# Altium PCB Mother  Board 3D.PcbDoc (part 2 of 4) (continued)
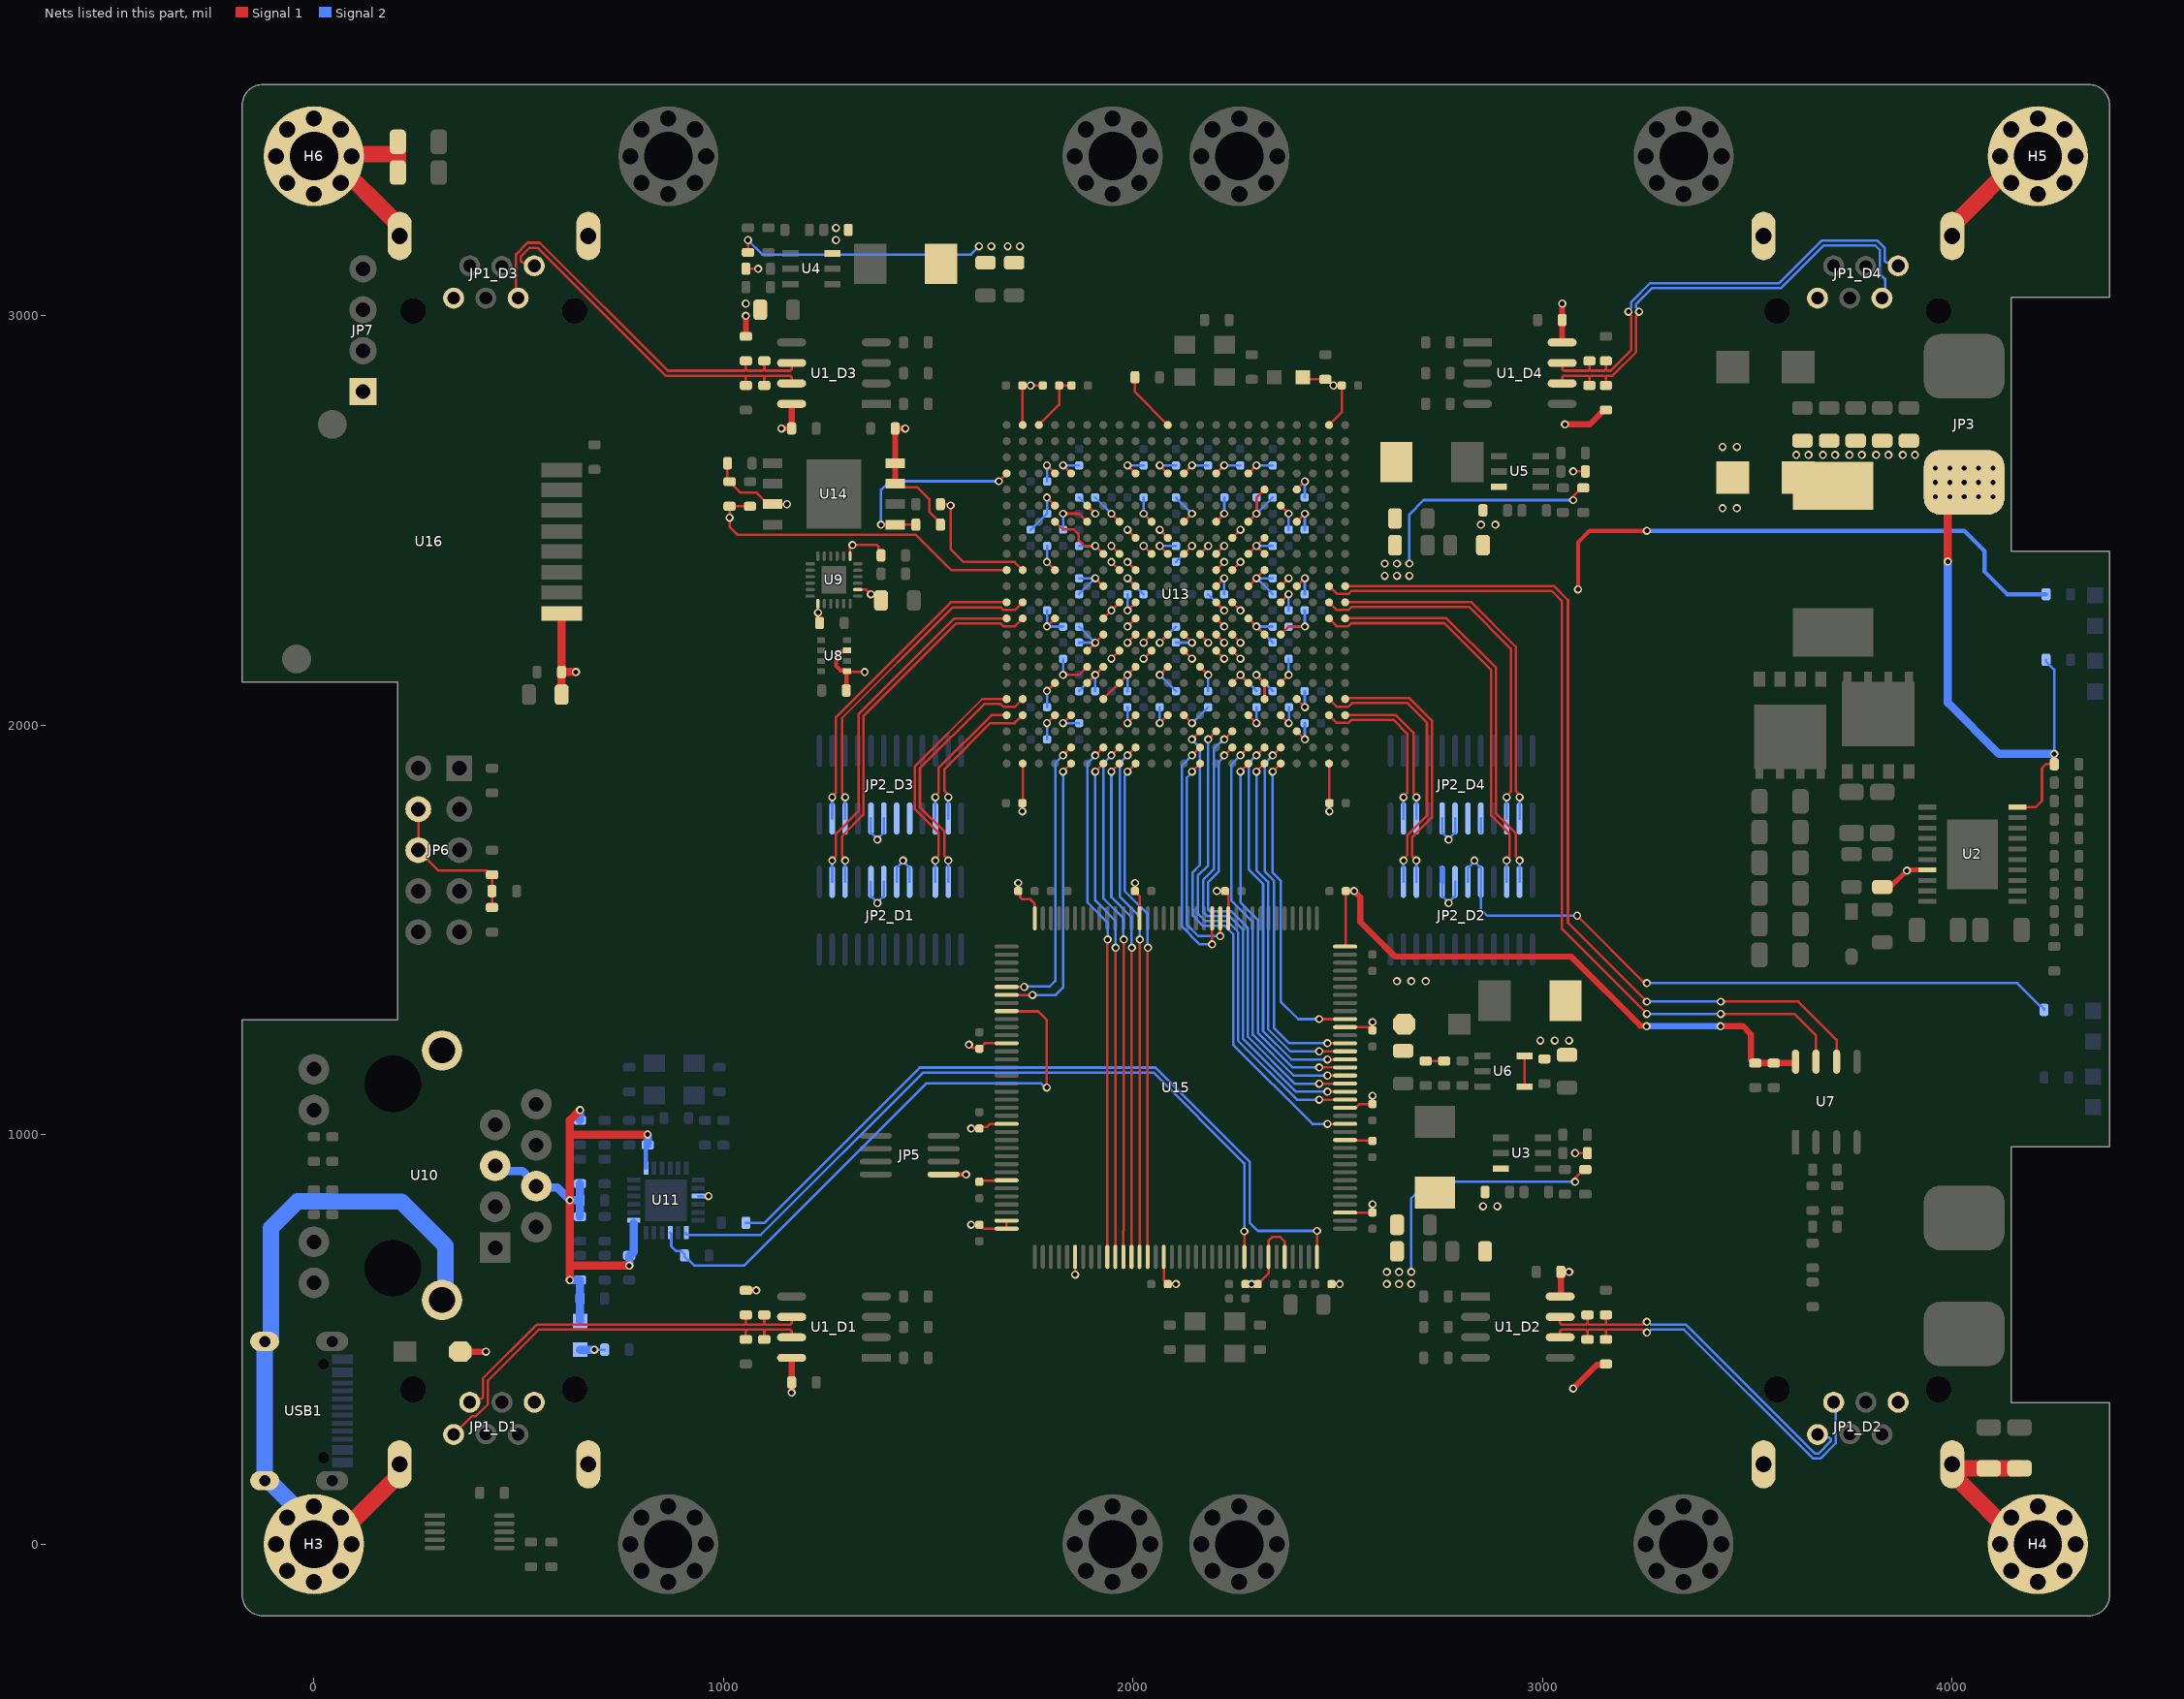
[diagram p4: the nets of this part, all layers, seen from the top]
## Nets (pads, with @x,y where several pads share a name; then routed paths per layer and width w, separated by ;. In a path a pad name is that pad's centre, name@x,y a point inside that pad or via, vN(x,y) a via of type N, cw(c..) or ccw(c..) an arc to the next point about the centre after c; other vN are vias at no path point) (continued)
  Signal 1 w10: C37.2@1300,2085 1300.75,2085.75 1300.75,2131.57 U8.8@1301.5,2132.32 1299.61,2134.21 1285.79,2134.21 1275,2145 1275,2175 1280.91,2180.91 1299.61,2180.91 U8.6@1301.5,2182.8 ; JP5.1@1537.68,902.76 v1(1592.76,902.76) ; v3(3087.07,2332.07) 3087.07,2447.07 3115,2475 v3(3255,2475)
  Signal 1 w15: U14.7@1419.6,2590 U14.8@1419.6,2640 C103.1@1419.6,2725 v1(1444.21,2725) ; v1(2540,1595) 2555,1580 2555,1520 2585,1490 2640,1435 3070,1435 3239.04,1265.96 3253.41,1265.96 v1(3254.37,1265) ; v1(3435,1265) 3490,1265 3509.54,1245.46 3509.54,1182.81 3517.35,1175 C34.1@3520,1175 C35.1@3565,1175 3614.84,1175 U7.8@3618.27,1178.43
  Signal 1 w20: C145.1@605,2075 C146.1@605,2130 ; U16.1@605.2,2273.35 605,2273.15 C146.1@605,2130 ; v1(640,2130) C146.1@605,2130
  Signal 2 w6: v1@685.19,475 C46.2@710,475 ; U11.9@938.74,849.84 v1@963.55,849.84 ; JP2_D1.9@1360.26,1617.68 1360.26,1583.36 v1@1376,1567.61 ; v1(1376,1565.77) v1@1376,1567.61 ; JP2_D1.11@1391.75,1617.68 1391.75,1583.36 v1@1376,1567.61 ; R55.2@1750.35,2477.8 1750.83,2477.8 1789.88,2516.85 C63.2@1790.35,2516.85 1790.2,2517.01 1790.2,2556.06 v1(1790.04,2556.22) ; v1(1790.04,2083.78) 1790.2,2083.62 1790.2,2044.57 C61.2@1790.35,2044.41 ; v1(1790.04,2398.74) 1790.2,2398.9 1790.2,2437.64 C66.2@1790.35,2437.8 ; v1(1790.04,2634.96) 1790.2,2634.8 1790.2,2595.75 C60.2@1790.35,2595.59 ; v1@1790.2,2005.2 v1(1790.04,2005.04) 1790.2,2004.88 1790.2,1965.51 C59.2@1790.35,1965.35 ; C74.2@1790.35,2280.63 1790.2,2280.47 1790.2,2241.42 v1(1790.04,2241.26) 1790.2,2241.1 1829.25,2241.1 R56.2@1829.41,2240.94 ; v1(1829.41,2005.04) 1829.57,2005.2 1868.62,2005.2 C81.2@1868.78,2005.35 ; v1(1829.41,2634.96) 1829.57,2634.8 1868.31,2634.8 C62.2@1868.46,2634.65 ; C83.2@1986.57,2044.41 1986.73,2044.25 1986.73,2005.2 v1(1986.89,2005.04) v1@1987.05,2005.2 ; v1(1986.89,2634.96) 1987.05,2634.8 2026.1,2634.8 C69.2@2026.26,2634.65 ; C85.2@2065.31,2044.41 2065.47,2044.25 2065.47,2005.2 v1(2065.63,2005.04) v1@2065.79,2005.2 ; v1(2065.63,2634.96) 2065.79,2634.8 2104.84,2634.8 C75.2@2105,2634.65 ; v1(2144.37,2634.96) 2144.53,2634.8 2183.27,2634.8 C67.2@2183.43,2634.65 ; v1@2144.53,2005.2 v1(2144.37,2005.04) 2144.69,2005.04 C68.2@2184.06,2044.41 ; v1(2223.11,2634.96) 2223.27,2634.8 2262.01,2634.8 C73.2@2262.17,2634.65 ; v1@2301.69,2005.2 v1(2301.85,2005.04) 2302.01,2005.2 2302.01,2044.25 C82.2@2302.17,2044.41 ; v1(2301.85,2634.96) 2302.01,2634.8 2341.38,2634.8 C65.2@2341.54,2634.65 ; v1@2380.43,2005.2 v1(2380.59,2005.04) 2380.75,2005.2 2380.75,2044.25 C80.2@2380.91,2044.41 ; R54.2@2380.59,2240.94 2380.75,2241.1 2419.8,2241.1 v1(2419.96,2241.26) 2419.8,2241.42 2419.8,2280.79 C58.2@2419.65,2280.94 ; C77.2@2419.65,2005.04 2419.8,2004.88 2419.8,1965.83 v1(2419.96,1965.67) ; C78.2@2419.65,2083.46 2419.8,2083.31 2419.8,2044.57 v1(2419.96,2044.41) ; C76.2@2419.65,2320 2419.8,2320.16 2419.8,2359.21 v1(2419.96,2359.37) ; C79.2@2419.65,2477.8 2419.8,2477.95 2419.8,2516.69 v1(2419.96,2516.85) ; C84.2@2419.65,2556.54 2419.8,2556.69 2419.8,2595.43 v1(2419.96,2595.59) ; v1(2680,665) 2680,845 2720,885 v1@3075,885 ; JP2_D2.9@2755.26,1617.68 2755.26,1583.36 v1@2771,1567.61 ; v1(2771,1565.77) v1@2771,1567.61 ; JP2_D2.11@2786.75,1617.68 2786.75,1583.36 v1@2771,1567.61 ; JP2_D4.9@2849.74,1738 JP2_D4.9@2849.74,1772.32
  Signal 2 w10: v3@3255.81,2475 4030,2475 4080,2425 4080,2375 4135,2320 R69.1@4230,2320
  Signal 2 w12: JP2_D2.9@2755.26,1617.68 JP2_D2.9@2755.26,1650.26
  Signal 2 w15: v1@2770.05,1564.81 v1(2771,1565.77) ; v1(3254.37,1265) v1(3435,1265)
  Signal 2 w20: FB1.1@650,475 v1@685.19,475
  other v1: 685.01,474.82 2620,635 2650,635 2680,635 2620,665 2650,665 963.73,850.02 1360,2320
3V3E: C45.2 C47.2 C52.1 C53.1 FB1.2 R35.2 R36.2 R37.2 R38.2 U10.4 U10.5 U11.1 U11.19 | length 1429.2
  Signal 1 w20: v1(625,645) 625,675 ; v1(649.81,1060.18) 625,1035.36 625,1000 ; v1(770.18,680.01) 630.01,680.01 625,675 ; v1(814.81,1000.18) 625.18,1000.18 625,1000 ; 625,675 v1(625,840) 625,1000
  Signal 2 w6: v1(625,645) v1@625.18,645.18 ; C53.1@810.79,970.98 C53.1@814.99,975.18
  Signal 2 w10: U11.1@810.79,918.74 C53.1@810.79,970.98
  Signal 2 w20: U10.5@445.82,925.01 459.02,911.81 509.02,911.81 U10.4@545.82,875.01 ; U10.4@542.91,875.83 547.33,871.41 593.95,871.41 625.18,840.18 C45.2@649.99,840.18 ; v1@625.18,645.18 R36.2@649.99,645.18 FB1.2@650,545 ; R35.2@649.99,800.18 C45.2@649.99,840.18 ; R38.2@649.99,880.18 C45.2@649.99,840.18 ; R37.2@649.99,1035.18 v1@649.99,1059.99 ; v1@769.99,680.19 C52.1@769.99,705 772.64,705 781.26,713.62 U11.19@781.26,785 ; C53.1@814.99,975.18 v1@814.99,999.99
5V: C1_D1.2 C1_D2.2 C1_D3.2 C1_D4.2 C23.2 C24.2 C25.2 C26.2 C27.2 C28.2 C31.2 C32.2 D3.K JP1_D1.1 JP1_D2.1 JP1_D3.1 JP1_D4.1 L5.1 NT2.2 R6_D1.1 R6_D2.1 R6_D3.1 R6_D4.1 R14.1 R15.1 R16.1 U1_D1.8 U1_D2.8 U1_D3.8 U1_D4.8 U3.3 U4.3 U5.3 U6.4 U6.5 | length 867.3
  Signal 1 w6: R15.1@1055,3115 v1(1085,3115) ; U6.4@2956.18,1117.6 U6.5@2956.18,1192.4 ; v1(3075,2620) R16.1@3105,2620 ; v1(3080,955) R14.1@3110,955
  Signal 1 w15: D3.K@357.5,470 v1(420,470) ; R6_D1.1@1055,620 v1(1080,620) ; R6_D3.1@1055,2950 v1(1055,3000) ; v1(1141.65,2725) C1_D3.2@1166.65,2725 U1_D3.8@1166.65,2785 ; v1(1166.65,370) C1_D1.2@1166.65,395 U1_D1.8@1166.65,455 ; U1_D2.8@3043.35,605 3045,606.65 C1_D2.2@3045,665 ; U1_D4.8@3048.35,2935 C1_D4.2@3048.35,2990 v1(3048.35,3030) ; C1_D2.2@3050,665 v1@3070,665 ; v1(3055,2735) 3116,2735 3151,2770 R6_D4.1@3155,2770 ; v1(3075,380) 3132.7,437.7 3152.7,437.7 R6_D2.1@3155,440
  other v1: 3065,665 2855,825 2890,825 2995,1230 3030,1230 3065,1230 2850,2490 2885,2490 3440,2530 3475,2530 3440,2680 3475,2680 1055,3030 1275,3185 1275,3215
5V_P: C3.1 C4.1 C5.1 C6.1 C7.1 C12.1 JP3.2 L1.2 NT2.1 R9.2 R68.1 U2.10 U2.17 | length 1450.9
  Signal 1 w6: U2.10@4160,1800.16 4205.16,1800.16 4220,1815 4220,1895 4230,1905 R9.2@4250,1905 v1(4250,1930)
  Signal 1 w12: C12.1@3830,1605 C12.1@3839.35,1605 ; C12.1@3839.35,1595 3864.97,1620.61 3865.51,1620.61 3891.51,1646.61 U2.17@3940,1646.61
  Signal 1 w20: v3(3990,2400) 3990,2557.06 4026.21,2593.27 v1(4030,2593.27)
  Signal 2 w6: R68.1@4230,2160 4230,2156 4250,2136 v1(4250,1930)
  Signal 2 w20: v3(3990,2400) 3990,2055 4115,1930 v1(4250,1930) ; JP3.2@3990,2553.27 v1(3995,2558.27)
  other v1: 3890,1645 3960,2558.27 4030,2558.27 4065,2558.27 4100,2558.27 3960,2593.27 3995,2593.27 4065,2593.27 4100,2593.27 3960,2628.27 3995,2628.27 4030,2628.27 4065,2628.27 4100,2628.27 3619.99,2660.23 3649.99,2660.23 3684.99,2660.23 3714.99,2660.23 3749.99,2660.23 3779.99,2660.23 3814.99,2660.23 3844.99,2660.23 3879.99,2660.23 3909.99,2660.23
12V: C29.2 C30.2 D2.K JP2_D1.13 JP2_D1.15 JP2_D2.13 JP2_D2.15 JP2_D3.13 JP2_D3.15 JP2_D4.13 JP2_D4.15 R26.1 R67.1 | length 2050.9
  Signal 1 w6: C29.2@2715,1180 R26.1@2760,1180 ; v3(3085,1535) 3247.32,1372.68 3252.32,1372.68 v3(3255,1370)
  Signal 2 w6: JP2_D3.15@1360.26,1772.32 1360.26,1738 v1@1376,1722.25 ; v1(1376,1720.41) v1@1376,1722.25 ; JP2_D3.13@1391.75,1772.32 1391.75,1738 v1@1376,1722.25 ; JP2_D1.13@1423.25,1617.68 1423.25,1652 v1@1439,1667.75 ; v1(1439,1669.59) v1@1439,1667.75 ; JP2_D1.15@1454.74,1617.68 1454.74,1652 v1@1439,1667.75 ; JP2_D4.15@2755.26,1772.32 2755.26,1738 v1@2771,1722.25 ; v1(2771,1720.41) v1@2771,1722.25 ; JP2_D4.13@2786.75,1772.32 2786.75,1738 v1@2771,1722.25 ; JP2_D2.13@2818.25,1617.68 2818.25,1652 v1@2834,1667.75 ; v1(2834,1669.59) v1@2834,1667.75 ; v3(3085,1535) 2865,1535 2849.74,1550.26 JP2_D2.15@2849.74,1617.68 2849.74,1652 v1@2834,1667.75 ; v3(3255,1370) 4160,1370 4214.54,1315.46 4217.19,1315.46 4225,1307.65 R67.1@4225,1305
  other v1: 2645,1375 2680,1375 2715,1375
485_D1_N: JP1_D1.6 R1_D1.1 R4_D1.2 U1_D1.7 | length 1029.2
  Signal 1 w6: JP1_D1.6@341.26,267.83 385.41,311.98 394.96,311.98 424.78,341.81 424.78,399.78 549,524 1051.49,524 1055,520.49 ; R1_D1.1@1055,500 1055,520.49 ; R4_D1.2@1100,500 1100,520.49 ; U1_D1.7@1166.65,505 1166.65,520.49 1163.14,524 1127.33,524 1103.51,524 1100,520.49 ; 1055,520.49 1058.51,524 1096.49,524 1100,520.49
485_D1_P: JP1_D1.5 R4_D1.1 R6_D1.2 U1_D1.6 | length 955.4
  Signal 1 w6: JP1_D1.5@380.63,346.57 388.91,354.86 409.26,354.86 412.78,358.37 412.78,404.75 544.03,536 1051.49,536 1055,539.51 ; R6_D1.2@1055,560 1055,539.51 ; R4_D1.1@1100,560 1100,539.51 ; U1_D1.6@1166.65,555 1166.65,539.51 1163.14,536 1132.3,536 1103.51,536 1100,539.51 ; 1055,539.51 1058.51,536 1096.49,536 1100,539.51
485_D2_N: JP1_D2.6 R1_D2.1 R4_D2.2 U1_D2.7 | length 916
  Signal 1 w6: U1_D2.7@3043.35,555 3043.35,539.51 3046.86,536 3106.49,536 3110,539.51 ; R4_D2.2@3110,560 3110,539.51 ; R1_D2.1@3155,560 3155,539.51 ; v1(3255,543) 3251.49,543 3244.49,536 3158.51,536 3155,539.51 ; 3110,539.51 3113.51,536 3151.49,536 3155,539.51
  Signal 2 w6: v1(3255,543) 3258.51,543 3265.51,536 3350.97,536 3665.99,220.99 3673.97,220.99 3704.46,251.48 3704.46,256.45 3700.94,259.96 3679.77,259.96 JP1_D2.6@3671.9,267.83
485_D2_P: JP1_D2.5 R4_D2.1 R6_D2.2 U1_D2.6 | length 990.9
  Signal 1 w6: U1_D2.6@3043.35,505 3043.35,520.49 3046.86,524 3106.49,524 3110,520.49 ; R4_D2.1@3110,500 3110,520.49 ; R6_D2.2@3155,500 3155,520.49 ; v1(3255,517) 3251.49,517 3244.49,524 3158.51,524 3155,520.49 ; 3110,520.49 3113.51,524 3151.49,524 3155,520.49
  Signal 2 w6: v1(3255,517) 3258.51,517 3265.51,524 3346,524 3661.01,208.99 3678.94,208.99 3716.46,246.51 3716.46,341.38 JP1_D2.5@3711.27,346.57
485_D3_N: JP1_D3.6 R1_D3.1 R4_D3.2 U1_D3.7 | length 912.2
  Signal 1 w6: JP1_D3.6@538.1,3122.17 530.23,3130.04 509.06,3130.04 505.54,3133.55 505.54,3145.54 526.51,3166.51 546.51,3166.51 859.03,2854 1051.49,2854 1055,2850.49 ; R1_D3.1@1055,2830 1055,2850.49 ; R4_D3.2@1100,2830 1100,2850.49 ; U1_D3.7@1166.65,2835 1166.65,2850.49 1163.14,2854 1139.33,2854 1103.51,2854 1100,2850.49 ; 1055,2850.49 1058.51,2854 1096.49,2854 1100,2850.49
485_D3_P: JP1_D3.5 R4_D3.1 R6_D3.2 U1_D3.6 | length 987.1
  Signal 1 w6: JP1_D3.5@498.73,3043.43 493.54,3048.62 493.54,3150.51 521.54,3178.51 551.49,3178.51 864,2866 1051.49,2866 1055,2869.51 ; R6_D3.2@1055,2890 1055,2869.51 ; R4_D3.1@1100,2890 1100,2869.51 ; U1_D3.6@1166.65,2885 1166.65,2869.51 1163.14,2866 1134.36,2866 1103.51,2866 1100,2869.51 ; 1055,2869.51 1058.51,2866 1096.49,2866 1100,2869.51
485_D4_N: JP1_D4.6 R1_D4.1 R4_D4.2 U1_D4.7 | length 1134.6
  Signal 1 w6: U1_D4.7@3048.35,2885 3048.35,2869.51 3051.86,2866 3111.49,2866 3115,2869.51 ; R4_D4.2@3115,2890 3115,2869.51 ; R1_D4.1@3155,2890 3155,2869.51 ; v1(3210,3010) 3210,3006.49 3217,2999.49 3217,2916.49 3166.51,2866 3158.51,2866 3155,2869.51 ; 3115,2869.51 3118.51,2866 3151.49,2866 3155,2869.51
  Signal 2 w6: v1(3210,3010) 3210,3013.51 3217,3020.51 3217,3033.97 3263.03,3080 3578.03,3080 3681.54,3183.51 3818.46,3183.51 3828.49,3173.49 3836.18,3165.79 3836.18,3133.55 3839.69,3130.04 3860.87,3130.04 JP1_D4.6@3868.74,3122.17
485_D4_P: JP1_D4.5 R4_D4.1 R6_D4.2 U1_D4.6 | length 1175.8
  Signal 1 w6: U1_D4.6@3048.35,2835 3048.35,2850.49 3051.86,2854 3111.49,2854 3115,2850.49 ; R4_D4.1@3115,2830 3115,2850.49 ; R6_D4.2@3155,2830 3155,2850.49 ; v1(3236,3010) 3236,3006.49 3229,2999.49 3229,2911.52 3171.48,2854 3158.51,2854 3155,2850.49 ; 3115,2850.49 3118.51,2854 3151.49,2854 3155,2850.49
  Signal 2 w6: v1(3236,3010) 3236,3013.51 3229,3020.51 3229,3029 3268,3068 3583,3068 3686.51,3171.51 3813.49,3171.51 3824.18,3160.82 3824.18,3102.76 3836.82,3090.12 3836.82,3050.87 JP1_D4.5@3829.37,3043.43
ASDI: R49.1 U13.D1 U14.5 | length 493.3
  Signal 1 w6: v1(1385,2490) U14.5@1419.61,2490 R49.1@1470,2490 ; v1(1672.52,2596.18) U13.D1@1691.61,2615.28
  Signal 2 w6: v1(1385,2490) 1385,2575 1406.18,2596.18 v1(1672.52,2596.18)
BOOT0: R60.1 U15.138 | length 68
  Signal 1 w6: R60.1@1625,885 1627.89,887.89 1690.81,887.89 U15.138@1691.54,888.62
BOOT1: R61.1 U15.48 | length 67.5
  Signal 1 w6: U15.48@2518.31,987.05 2519.05,986.31 2583.69,986.31 R61.1@2585,985
CLK50M: R58.1 U13.A11 | length 149.9
  Signal 1 w6: R58.1@2005,2850 2005,2813.7 U13.A11@2085.31,2733.39
ClkA_D1: JP2_D1.3 U13.N1 | length 894.4
  Signal 1 w6: v1(1265.77,1669.59) 1265.77,1670.87 1275,1680.1 1275,1735 1330,1790 1330,2026.97 1563.97,2260.94 U13.N1@1691.61,2260.94
  Signal 2 w6: JP2_D1.3@1265.77,1617.68 v1(1265.77,1669.59)
ClkA_D2: JP2_D2.3 U13.V21 | length 683.2
  Signal 1 w6: U13.V21@2479.02,2064.09 2497.86,2045.25 2526.19,2045.25 2535.32,2054.38 2670.62,2054.38 2718,2007 2718,1779.42 2670.46,1731.88 2670.46,1683.07 2660.77,1673.38 v1(2660.77,1669.59)
  Signal 2 w6: JP2_D2.3@2660.77,1617.68 v1(2660.77,1669.59)
ClkA_D3: JP2_D3.3 U13.W2 | length 370.1
  Signal 1 w6: v1(1549.23,1824.23) 1546.55,1826.91 1546.55,1833.19 1540,1839.75 1540,1893.03 1652.01,2005.04 1711.3,2005.04 U13.W2@1730.98,2024.72
  Signal 2 w6: JP2_D3.3@1549.23,1772.32 v1(1549.23,1824.23)
ClkA_D4: JP2_D4.3 U13.M22 | length 885.8
  Signal 1 w6: U13.M22@2518.39,2300.32 2519.45,2301.38 2730.57,2301.38 2825.59,2301.38 2935,2191.97 2935,2096.95 2935,1839.75 2941.55,1833.19 2941.55,1826.91 v1(2944.23,1824.23)
  Signal 2 w6: JP2_D4.3@2944.23,1772.32 v1(2944.23,1824.23)
ClkC_D1: JP2_D1.19 U13.V1 | length 600.5
  Signal 1 w6: v1(1517.74,1669.59) 1517.74,1672.84 1525,1680.1 1525,1738.03 1468,1795.03 1468,1899.97 1632.12,2064.09 U13.V1@1691.61,2064.09
  Signal 2 w6: JP2_D1.19@1517.74,1617.68 v1(1517.74,1669.59)
ClkC_D2: JP2_D2.19 U13.N21 | length 993.2
  Signal 1 w6: U13.N21@2479.02,2260.94 2497.86,2242.1 2526.19,2242.1 2533.47,2249.38 2760.62,2249.38 2875,2135 2875,1779.45 2920,1734.45 2920,1680.1 2912.74,1672.84 v1(2912.74,1669.59)
  Signal 2 w6: JP2_D2.19@2912.74,1617.68 v1(2912.74,1669.59)
ClkC_D3: JP2_D3.19 U13.M2 | length 812
  Signal 1 w6: v1(1297.26,1824.23) 1297.26,1827.48 1290,1834.75 1290,2018.03 1559.97,2288 1677.28,2288 1683.81,2281.47 1712.14,2281.47 U13.M2@1730.98,2300.32
  Signal 2 w6: JP2_D3.19@1297.26,1772.32 v1(1297.26,1824.23)
ClkC_D4: JP2_D4.19 U13.W22 | length 397
  Signal 1 w6: U13.W22@2518.39,2024.72 2642.25,2024.72 2685,1981.97 2685,1834.75 2692.26,1827.48 v1(2692.26,1824.23)
  Signal 2 w6: JP2_D4.19@2692.26,1772.32 v1(2692.26,1824.23)
ClkVIN: U7.7 U13.L21 | length 2182.5
  Signal 1 w6: U13.L21@2479.02,2339.69 2480.31,2339.69 2499.16,2320.84 2526.19,2320.84 2533.35,2328 3023.06,2328 3048,2303.06 3048,1502 v1(3255,1295) ; v1(3435.63,1295) 3615,1295 3668.27,1241.73 U7.7@3668.27,1178.43
  Signal 2 w6: v1(3255,1295) v1(3435.63,1295)
CONF_DONE: R54.1 U13.M18 | length 66.9
  Signal 1 w6: U13.M18@2360.91,2300.32 v1(2380.59,2320)
  Signal 2 w6: R54.1@2380.59,2280.94 v1(2380.59,2320)
DATA0: R47.2 R52.1 U13.K1 | length 820.5
  Signal 1 w6: R52.1@1065,2535 R47.2@1015,2535 v1(1015,2507.16) 1015,2485 1035,2465 1470,2465 1555.94,2379.06 U13.K1@1691.61,2379.06
DataA_D1: JP2_D1.5 U13.N2 | length 922.5
  Signal 1 w6: v1(1297.26,1669.59) 1297.26,1672.84 1290,1680.1 1290,1729.45 1342,1781.45 1342,2022 1568.94,2248.94 1676.97,2248.94 1683.81,2242.1 1712.14,2242.1 U13.N2@1730.98,2260.94
  Signal 2 w6: JP2_D1.5@1297.26,1617.68 v1(1297.26,1669.59)
DataA_D2: JP2_D2.5 U13.V22 | length 653.1
  Signal 1 w6: U13.V22@2518.39,2064.09 2520.67,2066.38 2585.57,2066.38 2675.59,2066.38 2730,2011.97 2730,1774.45 2682.46,1726.91 2682.46,1680 2692.26,1670.2 v1(2692.26,1669.59)
  Signal 2 w6: JP2_D2.5@2692.26,1617.68 v1(2692.26,1669.59)
DataA_D3: JP2_D3.5 U13.W1 | length 346
  Signal 1 w6: v1(1517.74,1824.23) 1517.74,1827.48 1525,1834.75 1525,1895 1654.72,2024.72 U13.W1@1691.61,2024.72
  Signal 2 w6: JP2_D3.5@1517.74,1772.32 v1(1517.74,1824.23)
DataA_D4: JP2_D4.5 U13.M21 | length 916.4
  Signal 1 w6: U13.M21@2479.02,2300.32 2497.86,2281.47 2526.19,2281.47 2534.1,2289.38 2820.62,2289.38 2923,2187 2923,1837.75 2912.74,1827.48 v1(2912.74,1824.23)
  Signal 2 w6: JP2_D4.5@2912.74,1772.32 v1(2912.74,1824.23)
DataC_D1: JP2_D1.21 U13.V2 | length 632.7
  Signal 1 w6: v1(1549.23,1669.59) 1549.23,1670.87 1540,1680.1 1540,1740 1480,1800 1480,1895 1637.09,2052.09 1676.97,2052.09 1683.81,2045.25 1712.14,2045.25 U13.V2@1730.98,2064.09
  Signal 2 w6: JP2_D1.21@1549.23,1617.68 v1(1549.23,1669.59)
DataC_D2: JP2_D2.21 U13.N22 | length 965.1
  Signal 1 w6: U13.N22@2518.39,2260.94 2518.82,2261.38 2690.57,2261.38 2765.59,2261.38 2887,2139.97 2887,1784.42 2935,1736.42 2935,1680.1 2944.23,1670.87 v1(2944.23,1669.59)
  Signal 2 w6: JP2_D2.21@2944.23,1617.68 v1(2944.23,1669.59)
DataC_D3: JP2_D3.21 U13.M1 | length 784.5
  Signal 1 w6: v1(1265.77,1824.23) 1265.77,1825.51 1275,1834.75 1275,2020 1555.31,2300.32 1690.98,2300.32 1691.3,2300 U13.M1@1691.61,2300.32
  Signal 2 w6: JP2_D3.21@1265.77,1772.32 v1(1265.77,1824.23)
DataC_D4: JP2_D4.21 U13.W21 | length 426.7
  Signal 1 w6: U13.W21@2479.02,2024.72 2497.86,2005.88 2526.19,2005.88 2533.03,2012.72 2637.28,2012.72 2670,1980 2670,1834.75 2660.77,1825.52 v1(2660.77,1824.23)
  Signal 2 w6: JP2_D4.21@2660.77,1772.32 v1(2660.77,1824.23)
DataVIN: U7.6 U13.L22 | length 2175
  Signal 1 w6: U13.L22@2518.39,2339.69 2518.7,2340 3028.03,2340 3062.49,2305.54 3062.49,1517.51 v1(3255,1325) ; v1@3434.64,1325 v1(3435.63,1325) 3625,1325 3718.27,1231.73 U7.6@3718.27,1178.43
  Signal 2 w6: v1(3255,1325) v1(3435.63,1325)
DCLK: R53.2 U13.K2 | length 332.1
  Signal 1 w6: R53.2@1530,2540 1555,2540 1555,2430 1586.26,2398.74 1711.3,2398.74 U13.K2@1730.98,2379.06
  other v1: 1555,2537
EARTH: H3.1 JP1_D1.8 U10.13 USB1.3 USB1.4 | length 1776.2
  Signal 1 w40: H3.1@0,0 38.74,0 209.37,170.63 JP1_D1.8@209.37,195
  Signal 2 w40: H3.1@0,0 0,44.69 -110.23,154.92 USB1.3@-120.08,154.92 USB1.4@-120.08,495.08 -110.23,495.08 -106.88,498.42 -106.88,508.27 -105,510.16 -105,772 -40.12,836.87 40.12,836.87 40.33,836.66 213.48,836.66 321.18,728.96 321.18,606.06 U10.13@312.99,597.87
EARTH1: U10.14
EARTH1_D1: JP1_D1.7
EARTH1_D2: C116.2 H4.1 JP1_D2.7 R64.1 | length 453.6
  Signal 1 w40: C116.2@4165,185 4155,185 R64.1@4090,185 4009.44,185 4000.64,176.2 4000.64,170.63 4171.27,0 H4.1@4210,0
EARTH1_D3: C148.2 H6.1 JP1_D3.7 R65.1 | length 474
  Signal 1 w40: H6.1@0,3390 38.73,3390 209.36,3219.37 JP1_D3.7@209.36,3195 ; H6.1@92.52,3390 100,3390 105,3395 185,3395 ; C148.2@205,3350 205,3360 205,3395 205,3415 R65.1@205,3425
EARTH1_D4: JP1_D4.7
EARTH2_D2: JP1_D2.8
EARTH2_D3: JP1_D3.8
EARTH2_D4: H5.1 JP1_D4.8 | length 304.4
  Signal 1 w40: JP1_D4.8@4000.63,3195 4000.63,3219.37 4171.26,3390 H5.1@4210,3390
"ETH MDC": U11.13 U15.27 | length 1852.3
  Signal 1 w6: U15.27@2272.25,701.61 v1(2272.25,763.91)
  Signal 2 w6: U11.13@909.21,761.26 909.21,757.91 912.12,755 1091.06,755 1488.06,1152 2050.12,1152 2272.25,929.87 v1(2272.25,763.91)
"ETH MDIO": R42.1 U15.36 | length 1867.4
  Signal 1 w6: U15.36@2449.42,701.61 v1(2449.42,765.07)
  Signal 2 w6: R42.1@1055,785 1100.91,785 1479.91,1164 2055.09,1164 2285,934.09 2285,785 2304.93,765.07 v1(2449.42,765.07)
"ETH RESET": R43.1 U11.15 U15.117 | length 1436.2
  Signal 1 w6: U15.117@1691.54,1302.01 1716.5,1302.01 1717.18,1301.32 1768.68,1301.32 1790,1280 v1(1790,1115)
  Signal 2 w6: U11.15@869.84,761.26 872.75,758.35 872.75,727.25 884.54,715.46 897.19,715.46 905,707.65 R43.1@905,705 905,702.35 912.81,694.54 915.46,694.54 930,680 1050,680 1495,1125 1776.21,1125 1786.21,1115 v1(1790,1115)
FPGA_RST: C57.2 R45.2 U13.A3 | length 147.2
  Signal 1 w6: U13.A3@1770.35,2733.39 1820,2783.03 R45.2@1820,2830 C57.2@1850,2830
FSMC_A0: U13.AA7 U15.10 | length 1281.1
  Signal 1 w6: v1(1908.15,1926.3) U13.AA7@1927.83,1945.98 ; U15.10@1937.61,701.61 1937.61,1475.93 v1(1938.29,1476.62)
  Signal 2 w6: v1(1908.15,1926.3) 1889.15,1907.3 1889.15,1566.96 1938.38,1517.73 1938.38,1476.71 v1(1938.29,1476.62)
FSMC_A1: U13.AB7 U15.11 | length 1234.1
  Signal 1 w6: v1(1908.15,1886.93) U13.AB7@1927.83,1906.61 ; U15.11@1957.29,701.61 1957.29,1455.69 v1(1958.06,1456.46)
  Signal 2 w6: v1(1908.15,1886.93) 1908.15,1571.85 1957.29,1522.71 1957.29,1457.24 v1(1958.06,1456.46)
FSMC_A2: U13.AA8 U15.12 | length 1281
  Signal 1 w6: v1(1947.52,1926.3) U13.AA8@1967.2,1945.98 ; U15.12@1976.98,701.61 1976.98,765.07 1977.66,765.76 v1(1977.66,1476.62)
  Signal 2 w6: v1(1947.52,1926.3) 1928.52,1907.3 1928.52,1576.48 1976.98,1528.02 1976.98,1477.31 v1(1977.66,1476.62)
FSMC_A3: U13.AB8 U15.13 | length 1234.1
  Signal 1 w6: v1(1947.52,1886.93) U13.AB8@1967.2,1906.61 ; U15.13@1996.66,701.61 1996.66,1455.69 v1(1997.44,1456.46)
  Signal 2 w6: v1(1947.52,1886.93) 1947.52,1580.51 1996.66,1531.37 1996.66,1457.24 v1(1997.44,1456.46)
FSMC_A4: U13.AA9 U15.14 | length 1281
  Signal 1 w6: v1(1986.89,1926.3) U13.AA9@2006.57,1945.98 ; U15.14@2016.35,701.61 2016.35,765.07 2017.03,765.76 v1(2017.03,1476.62)
  Signal 2 w6: v1(1986.89,1926.3) 1967.89,1907.3 1967.89,1582.11 2016.35,1533.65 2016.35,1477.31 v1(2017.03,1476.62)
FSMC_A5: U13.AB9 U15.15 | length 1239.9
  Signal 1 w6: v1(1986.89,1886.93) U13.AB9@2006.57,1906.61 ; U15.15@2036.03,701.61 2036.03,1455.69 v1(2036.81,1456.46)
  Signal 2 w6: v1(1986.89,1886.93) 1986.89,1883.3 1980,1876.41 1980,1595 2036.03,1538.97 2036.03,1457.24 v1(2036.81,1456.46)
FSMC_A6: U13.Y13 U15.50 | length 1214.4
  Signal 1 w6: v1(2144.37,1965.67) U13.Y13@2164.06,1985.35 ; v1(2475.02,1026.42) U15.50@2518.31,1026.42
  Signal 2 w6: v1(2144.37,1965.67) 2163.37,1946.67 2163.37,1658.22 2146.03,1640.87 2146.03,1535.55 2171.58,1510 2225,1510 2245,1490 2245,1220 2438.58,1026.42 v1(2475.02,1026.42)
FSMC_A7: U13.Y14 U15.53 | length 1167.6
  Signal 1 w6: v1(2183.74,1965.67) U13.Y14@2203.43,1985.35 ; v1(2454.86,1085.47) U15.53@2518.31,1085.47
  Signal 2 w6: v1(2183.74,1965.67) 2183.74,1657.92 2158.68,1632.86 2158.68,1539.87 2176.55,1522 2229.97,1522 2257,1494.97 2257,1229.21 2400.73,1085.47 v1(2454.86,1085.47)
FSMC_A8: U13.Y15 U15.54 | length 1156.7
  Signal 1 w6: v1(2223.11,1965.67) U13.Y15@2242.8,1985.35 ; v1(2475.02,1105.16) U15.54@2518.31,1105.16
  Signal 2 w6: v1(2223.11,1965.67) 2220.67,1965.67 2197.48,1942.48 2197.48,1648.53 2171.32,1622.38 2171.32,1544.19 2181.52,1534 2234.94,1534 2269,1499.94 2269,1234.18 2398.02,1105.16 v1(2475.02,1105.16)
FSMC_A9: U13.AA15 U15.55 | length 1086.8
  Signal 1 w6: v1(2223.11,1926.3) U13.AA15@2242.8,1945.98 ; v1(2454.86,1124.84) U15.55@2518.31,1124.84
  Signal 2 w6: v1(2223.11,1926.3) 2223.11,1923.89 2210,1910.78 2210,1643.17 2183.97,1617.14 2183.97,1549.51 2187.49,1546 2239.91,1546 2281,1504.91 2281,1239.15 2395.31,1124.84 v1(2454.86,1124.84)
FSMC_A10: U13.AA16 U15.56 | length 1007.9
  Signal 1 w6: v1(2262.48,1926.3) U13.AA16@2282.17,1945.98 ; v1(2475.02,1144.53) U15.56@2518.31,1144.53
  Signal 2 w6: v1(2262.48,1926.3) 2240,1903.82 2240,1572.56 2293,1519.56 2293,1244.12 2392.59,1144.53 v1(2475.02,1144.53)
FSMC_A11: U13.AB16 U15.57 | length 931.8
  Signal 1 w6: v1(2262.48,1886.93) U13.AB16@2282.17,1906.61 ; v1(2454.86,1164.21) U15.57@2518.31,1164.21
  Signal 2 w6: v1(2262.48,1886.93) 2262.48,1567.98 2305,1525.46 2305,1249.09 2389.88,1164.21 v1(2454.86,1164.21)
FSMC_D0: U13.AB13 U15.85 | length 542.9
  Signal 1 w6: v1(2144.37,1886.93) U13.AB13@2164.06,1906.61 ; v1(2213.2,1485.09) U15.85@2213.2,1528.39
  Signal 2 w6: v1(2144.37,1886.93) 2144.37,1884.8 2132,1872.43 2132,1513.02 2159.93,1485.09 v1(2213.2,1485.09)
FSMC_D1: U13.AA13 U15.86 | length 605.2
  Signal 1 w6: v1(2144.37,1926.3) U13.AA13@2164.06,1945.98 ; v1@2193.51,1470.72 U15.86@2193.51,1528.39
  Signal 2 w6: v1(2144.37,1926.3) 2120,1901.93 2120,1508.05 2163.12,1464.93 v1(2193.51,1464.93)
FSMC_D2: U13.AA5 U15.114 | length 711.4
  Signal 1 w6: U15.114@1691.54,1361.06 v1(1734.84,1361.06) ; v1(1829.41,1926.3) U13.AA5@1849.09,1945.98
  Signal 2 w6: v1(1734.84,1361.06) 1736.57,1362.79 1797.79,1362.79 1810.41,1375.41 1810.41,1907.3 v1(1829.41,1926.3)
FSMC_D3: U13.AB5 U15.115 | length 694.9
  Signal 1 w6: U15.115@1691.54,1341.38 v1@1749.21,1341.38 ; v1(1829.41,1886.93) U13.AB5@1849.09,1906.61
  Signal 2 w6: v1(1755,1341.38) 1811.38,1341.38 1829.41,1359.41 v1(1829.41,1886.93)
FSMC_D4: U13.AA17 U15.58 | length 952.5
  Signal 1 w6: v1(2301.85,1926.3) U13.AA17@2321.54,1945.98 ; v1(2475.02,1183.9) U15.58@2518.31,1183.9
  Signal 2 w6: v1(2301.85,1926.3) 2282.85,1907.3 2282.85,1647.68 2318,1612.53 2318,1253.06 2387.16,1183.9 v1(2475.02,1183.9)
FSMC_D5: U13.AB17 U15.59 | length 879.3
  Signal 1 w6: v1(2301.85,1886.93) U13.AB17@2321.54,1906.61 ; v1(2454.86,1203.58) U15.59@2518.31,1203.58
  Signal 2 w6: v1(2301.85,1886.93) 2301.85,1645.65 2330,1617.5 2330,1258.03 2384.45,1203.58 v1(2454.86,1203.58)
FSMC_D6: U13.AA18 U15.60 | length 900
  Signal 1 w6: v1(2341.22,1926.3) U13.AA18@2360.91,1945.98 ; v1(2475.02,1223.27) U15.60@2518.31,1223.27
  Signal 2 w6: v1(2341.22,1926.3) 2322.22,1907.3 2322.22,1642.25 2345,1619.47 2345,1260 2381.73,1223.27 v1(2475.02,1223.27)
FSMC_D7: U13.AB18 U15.63 | length 772.9
  Signal 1 w6: v1(2341.22,1886.93) U13.AB18@2360.91,1906.61 ; v1(2454.86,1282.32) U15.63@2518.31,1282.32
  Signal 2 w6: v1(2341.22,1886.93) 2341.22,1640.22 2361,1620.44 2361,1325.06 2403.74,1282.32 v1(2454.86,1282.32)